# Altium PCB JR_main.PcbDoc
Units mil, origin at the board's own origin, x right, y up, seen from the top; angles counter-clockwise.
Board outline 1559.06 x 2188.98 mil, 2 copper layers (Top Layer, Bottom Layer); 50 components, 47 nets, 221 pads, 229 vias.
Unrouted connection lines stored in the file: 46.
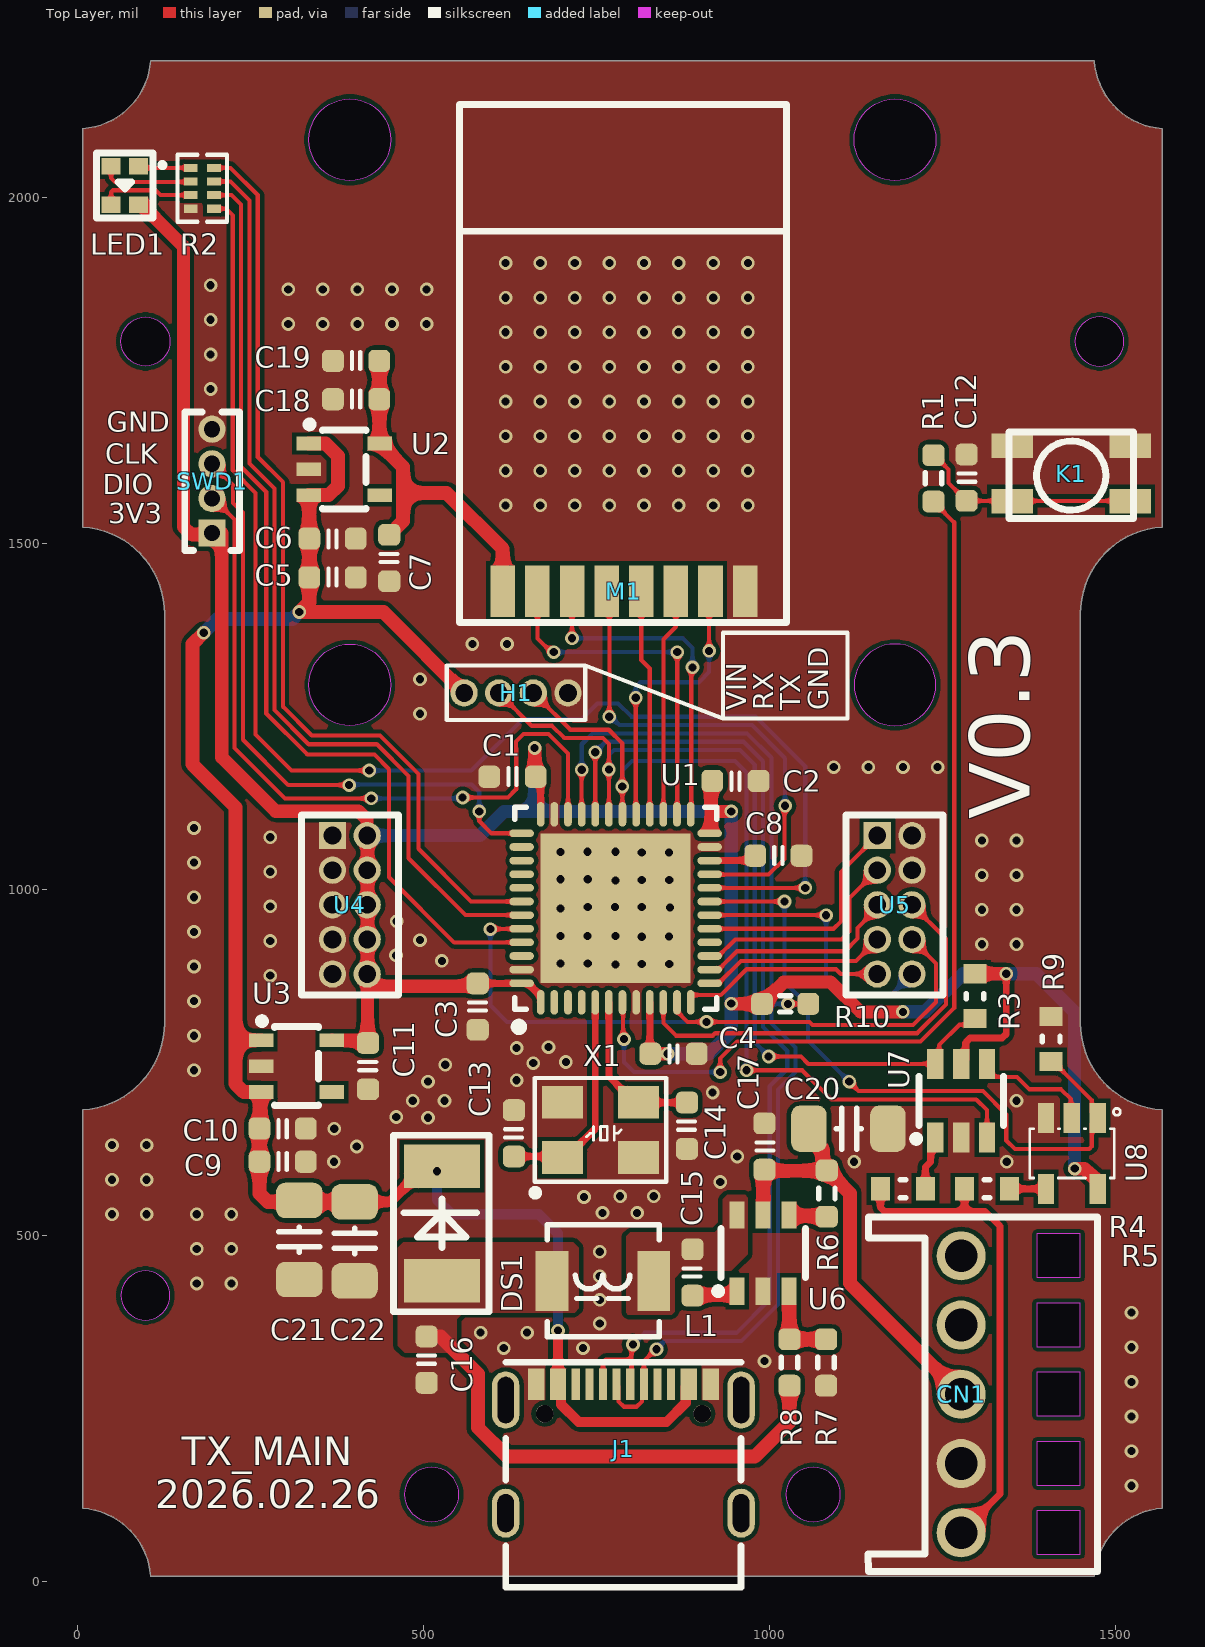
[diagram p0: Top Layer view]
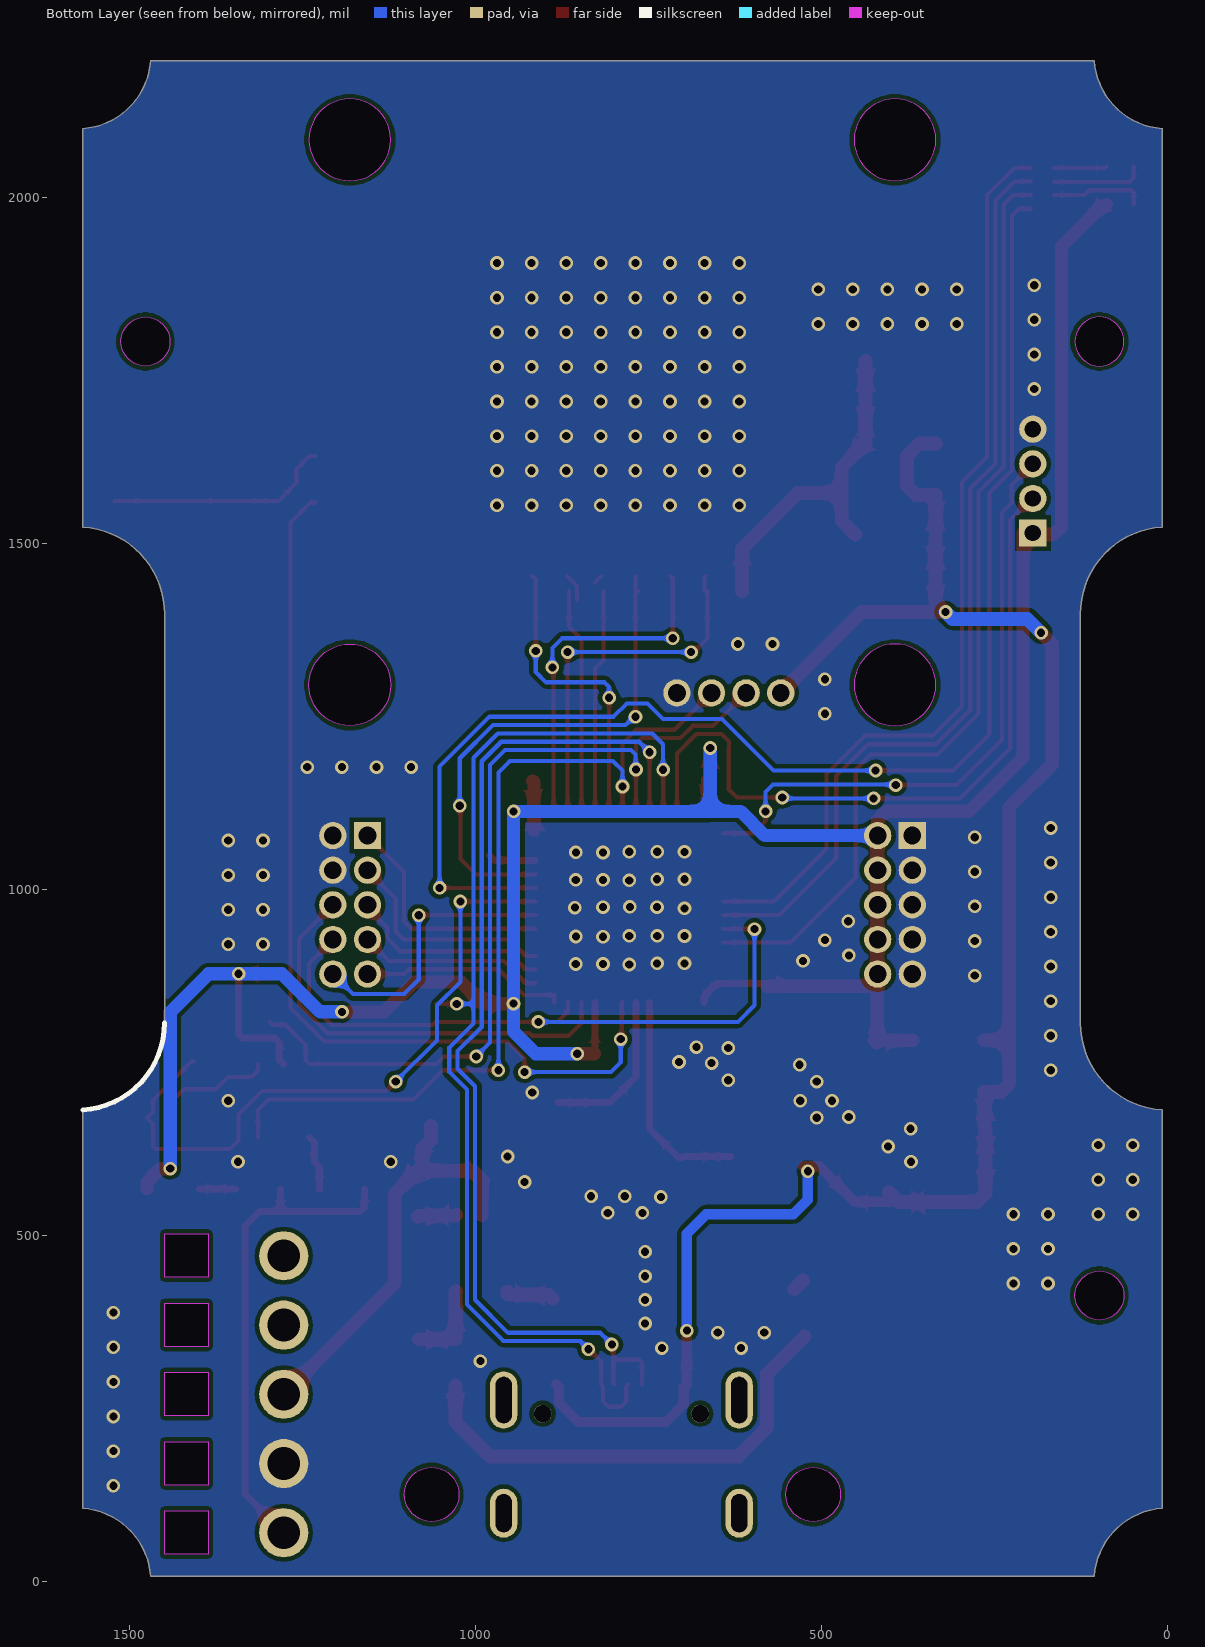
[diagram p1: Bottom Layer view, seen from below]

## Layer stack, top to bottom
Top Solder: solder mask 0.4, Solder Resist, Dk 3.5
Top Layer: signal copper 1.4
Dielectric 1: dielectric 12.6, FR-4, Dk 4.8
Bottom Layer: signal copper 1.4
Bottom Solder: solder mask 0.4, Solder Resist, Dk 3.5

## Board outline
7.87,106.01 cw(c0,0) 106.01,7.87 1468.8,7.87 cw(c1574.8,0) 1566.93,106.01 1566.93,681.35 cw(c1574.8,807.09) 1448.82,807.09 1448.82,1397.64 cw(c1574.8,1397.64) 1566.93,1523.38 1566.93,2098.72 cw(c1574.8,2204.72) 1468.8,2196.85 106.01,2196.85 cw(c0,2204.72) 7.87,2098.72 7.87,1523.38 cw(c0,1397.64) 125.98,1397.64 125.98,807.09 cw(c0,807.09) 7.87,681.35
cut-out: 1023.62,125.98 ccw(c1062.99,125.98) 1062.99,86.61 ccw(c1062.99,125.98) 1102.36,125.98 ccw(c1062.99,125.98) 1062.99,165.35 ccw(c1062.99,125.98)
cut-out: 472.44,125.98 ccw(c511.81,125.98) 511.81,86.61 ccw(c511.81,125.98) 551.18,125.98 ccw(c511.81,125.98) 511.81,165.35 ccw(c511.81,125.98)
cut-out: 62.99,413.39 ccw(c98.43,413.39) 98.43,377.95 ccw(c98.43,413.39) 133.86,413.39 ccw(c98.43,413.39) 98.43,448.82 ccw(c98.43,413.39)
cut-out: 1122.05,1295.28 ccw(c1181.1,1295.28) 1181.1,1236.22 ccw(c1181.1,1295.28) 1240.16,1295.28 ccw(c1181.1,1295.28) 1181.1,1354.33 ccw(c1181.1,1295.28)
cut-out: 393.7,1236.22 cw(c393.7,1295.28) 334.65,1295.28 cw(c393.7,1295.28) 393.7,1354.33 cw(c393.7,1295.28) 452.76,1295.28 cw(c393.7,1295.28)
cut-out: 1440.94,1791.34 ccw(c1476.38,1791.34) 1476.38,1755.91 ccw(c1476.38,1791.34) 1511.81,1791.34 ccw(c1476.38,1791.34) 1476.38,1826.77 ccw(c1476.38,1791.34)
cut-out: 1181.1,2023.62 cw(c1181.1,2082.68) 1122.05,2082.68 cw(c1181.1,2082.68) 1181.1,2141.73 cw(c1181.1,2082.68) 1240.16,2082.68 cw(c1181.1,2082.68)
cut-out: 98.43,1755.91 cw(c98.43,1791.34) 62.99,1791.34 cw(c98.43,1791.34) 98.43,1826.77 cw(c98.43,1791.34) 133.86,1791.34 cw(c98.43,1791.34)
cut-out: 393.7,2023.62 cw(c393.7,2082.68) 334.65,2082.68 cw(c393.7,2082.68) 393.7,2141.73 cw(c393.7,2082.68) 452.76,2082.68 cw(c393.7,2082.68)
cut-out: 1385.83,439.37 1448.82,439.37 1448.82,502.36 1385.83,502.36
cut-out: 1385.83,339.37 1448.82,339.37 1448.82,402.36 1385.83,402.36
cut-out: 1385.83,239.37 1448.82,239.37 1448.82,302.36 1385.83,302.36
cut-out: 1385.83,139.37 1448.82,139.37 1448.82,202.36 1385.83,202.36
cut-out: 1385.83,39.37 1448.82,39.37 1448.82,102.36 1385.83,102.36

## Design rules (kind name [scope] priority, off if disabled: settings)
Clearance [All] p1: gap=6 ignorepadtopadclearanceinfootprint=FALSE
MinimumSolderMaskSliver [All] p1: minsoldermaskwidth=2.5
PlaneConnect [All] p1: planeconnectstyle=Direct reliefexpansion=20 reliefentries=4 reliefconductorwidth=10 reliefairgap=10
PolygonConnect [All] p1: connectstyle=Direct reliefconductorwidth=10 reliefentries=4 polygonreliefangle="90 Angle" airgapwidth=10
RoutingVias [All] p1: holewidth=11.81 width=19.68 viastyle="Through Hole" minholewidth=11.81 minwidth=19.68 maxholewidth=1181.1 maxwidth=1968.5
SilkToSilkClearance [All] p1: silktosilkclearance=5
SilkToSolderMaskClearance [IsPad] p1: minsilkscreentomaskgap=0 clearancetoexposedcopper=TRUE
SolderMaskExpansion [All] p1: expansion=4 istentingtop=FALSE
Width [All] p1: maxlimit=100 minlimit=6 preferedwidth=10
26 further rules are at their usual default settings.

## Components (designator, comment, footprint, x,y, rotation, side; value= is the part's Value field where it differs from the comment)
C1 "100nf" C0603 628.62,1162.62 r0 top
C2 "100nf" C0603 950.62,1156.62 r180 top
C3 "100nf" C0603 578.37,830.62 r90 top
C4 "100nf" C0603 861.24,762.62 r180 top
C5 "10uf" C0603 368.62,1450.62 r0 top
C6 "100nf" C0603 368.7,1506.62 r180 top
C7 "10uf" C0603 450.62,1478.62 r90 top
C8 "4.7uf" C0603 1012.62,1048.62 r0 top
C9 "10uf" C0603 296.62,606.62 r0 top
C10 "100nf" C0603 296.62,654.62 r180 top
C11 "10uf" C0603 420.06,744.62 r90 top
C12 "100nf" C0603 1284.62,1594.62 r270 top
C13 "22pf" C0603 630.62,647.62 r90 top
C14 "22pf" C0603 880.62,658.62 r90 top
C15 "100nf" C0603 888.62,446.62 r90 top
C16 "47uf" C0603 504.62,320.62 r90 top
C17 "4.7uf" C0603 992.62,628.62 r270 top
C18 "10uf" C0603 402.76,1707.88 r0 top
C19 "10uf" C0603 402.76,1763.33 r0 top
C20 "47uf" C1206 1114.92,654.22 r180 top
C21 "47uf" C1206 320.62,494.62 r270 top
C22 "47uf" C1206 400.62,492.62 r270 top
CN1 "B2541BW-5P" CONN-TH_B2541BW-5P 1276.62,270.62 r270 top
DS1 "D-Schottky" SMA 526.62,442.85 r90 top
H1 "Head_4Pin" 1.27排针_4PIN 558.72,1283.75 r0 top
J1 "Type-c 2.0" TYPE-C16PIN 788.84,191.93 r0 top
K1 "Key-PB" SW_4.2x3.2 1520.62,1560.62 r180 top
L1 "4.7uH" L-4020 832.62,434.62 r180 top
LED1 "E6C0606RGBC3UDA" LED-SMD_4P-L1.6-W1.6-TL-FD 68.62,2016.62 r270 top
M1 "NRF24l01" NRF24l01 614.62,1430.62 r0 top
R1 "10k" R0603 1236.62,1593.62 r90 top
R2 "1k" 0402*4 180.62,2012.62 r270 top
R3 "10k" RES0603 1296.62,845.64 r90 top
R4 "1k" RES0603 1192.62,567.44 r180 top
R5 "51R" RES0603 1314.02,567.44 r180 top
R6 "1k" R0603 1082.62,560.62 r90 top
R7 "10k" R0603 1081.64,316.62 r270 top
R8 "52.3k" R0603 1028.62,316.62 r270 top
R9 "10k" RES0603 1406.62,783.63 r270 top
R10 "1.5k" R0603 1022.43,834.62 r0 top
SWD1 "J-Link" "1.27 排针 4p" 194.62,1589.62 r90 top
U1 "STM32F401CCU6" UFQFPN-48_L7.0-W7.0-P0.50-BL-EP 777.62,972.62 r0 top
U2 "XC6210B332MR_C424705" SOT-25_L3.0-W1.6-P0.95-LS2.8-BL 385.46,1606.62 r270 top
U3 "XC6210B332MR_C424705" SOT-25_L3.0-W1.6-P0.95-LS2.8-BL 316.62,744.62 r270 top
U4 "2343U-205CNG1SNT01" HDR-TH_10P-P1.27-V-F-R2-C5-S1.27-1 393.7,977.62 r270 top
U5 "2343U-205CNG1SNT01" HDR-TH_10P-P1.27-V-F-R2-C5-S1.27-1 1180.62,977.62 r270 top
U6 "JW5026" "SOT-23-6_L2.9-W1.6-P0.95-LS2.8-BR - duplicate" 990.62,474.62 r270 top
U7 "SN74LVC2G04DBVR" SOT-23-6 1276.62,694.62 r270 top
U8 "SN74LVC1G126DBVR" SOT-23-5 1436.62,618.62 r90 top
X1 "XTAL" OSC_KH3225_4P 820.62,697.62 r0 top

## Footprints (in the part's own frame and the unit in brackets; to place one, negate y for a bottom-side part, rotate by r counter-clockwise, add the part's x,y. Pads: shape width x height; smd on the part's side, far side on the other; paste and mask are expansions set on the pad)
"1.27 排针 4p" [mm]
  rect 1x1 hole 0.6 mask+0.051: 1(-1.905,0)
  round 1 hole 0.6 mask+0.051: 2(-0.635,0) 3(0.635,0) 4(1.905,0)
  silkscreen extent -2.54,-1 2.54,1
1.27排针_4PIN [mm]
  round 1 hole 0.65: 1(0,0) 2(1.27,0) 3(2.54,0) 4(3.81,0)
  silkscreen extent -0.64,-1 4.44,1, body extent -0.64,-1 4.44,1, height 4.9
0402*4 [mm]
  rect 0.3x0.505 smd mask+0.051: 1(-0.75,0.427) 2(-0.25,0.427) 3(0.25,0.427) 4(0.75,0.427) 5(0.75,-0.427) 6(0.25,-0.427) 7(-0.25,-0.427) 8(-0.75,-0.427)
  silkscreen extent -1.23,-0.91 1.23,0.91
C0603 [mm] "C0603瓷片电容"
  rrect50% 0.8x0.813 smd: 1(-0.85,0) 2(0.85,0)
  silkscreen extent -0.15,-0.3 0.15,0.33, body extent -0.76,-0.38 0.76,0.38, height 0.76
C1206 [mm] "C1206 瓷片电容"
  rrect50% 1.3x1.7 smd: 1(-1.422,0) 2(1.478,0)
  silkscreen extent -0.45,-0.75 0.48,0.75, body extent -1.6,-0.8 1.6,0.8, height 1
CONN-TH_B2541BW-5P [mil]
  round 70.9 hole 47.2 mask+2: 1(200,0) 2(100,0) 3(0,0) 4(-100,0) 5(-200,0)
  silkscreen extent -256,-134 256,197
HDR-TH_10P-P1.27-V-F-R2-C5-S1.27-1 [mil]
  rect 39.4x39.4 hole 25.6 mask+2: 1(-100,-25)
  round 39.4 hole 25.6 mask+2: 2(-100,25) 3(-50,-25) 4(-50,25) 5(0,-25) 6(0,25) 7(50,-25) 8(50,25) 9(100,-25) 10(100,25)
  silkscreen extent -130,-70 130,70
L-4020 [mm] "4020封装贴片式电感，4*4*2mm"
  rect 1.2x2.2 smd: 1(0,0) 2(3.73,0)
  silkscreen extent -0.2,-2.05 3.9,2.05, body extent -0.27,-2.1 3.96,2, height 2
LED-SMD_4P-L1.6-W1.6-TL-FD [mil]
  rect 23.6x27.6 smd mask+2: 1(-27.6,19.7) 2(27.6,19.7) 3(-27.6,-19.7) 4(27.6,-19.7)
  silkscreen extent -47,-41 47,57
NRF24l01 [mm]
  rect 0.9x1.9 smd: 1(0,0) 2(1.27,0) 3(2.54,0) 4(3.81,0) 5(5.08,0) 6(6.35,0) 7(7.62,0) 8(8.89,0)
  silkscreen extent -1.59,-1.14 10.41,17.86
OSC_KH3225_4P [mil]
  rect 59.06x47.24 smd: 1(-120,-85) 2(-10,-85) 3(-10,-5) 4(-120,-5)
  silkscreen extent -164,-141 30,30, body extent -128,-94 -2,4, height 31
R0603 [mm] "0603电阻"
  rrect50% 0.8x0.813 smd: 1(-0.85,0) 2(0.85,0)
  silkscreen extent -0.2,-0.3 0.2,0.3, body extent -0.76,-0.38 0.76,0.38, height 0.76
RES0603 [mm] "Chip Resistor, 2-Leads, Body 1.60x0.80mm, IPC Medium Density"
  rect 0.7x0.85 smd: 1(-0.825,0) 2(0.825,0)
  silkscreen extent -0.1,-0.33 0.1,0.33, body extent -0.8,-0.4 0.8,0.4, height 0.45
SMA [mil] "DO-214AC(2010)"
  rect 63x110 smd: 1(-8,0) 2(157,0)
  silkscreen extent -53,-68 202,70, body extent -16,-53 166,53, height 94
SOT-23-5 [mm]
  rect 1.1x0.6 smd: 1(1.3,-0.95) 2(1.3,0) 3(1.3,0.95) 4(-1.3,0.95) 5(-1.3,-0.95)
  silkscreen extent -0.9,-1.78 1.65,1.55, body extent -1.45,-1.26 1.45,1.52, height 1.2
SOT-23-6 [mm]
  rect 1.1x0.6 smd paste+0 mask+0.051: 1(1.35,-0.95) 2(1.35,0) 3(1.35,0.95) 4(-1.35,0.95) 5(-1.35,0) 6(-1.35,-0.95)
  silkscreen extent -0.9,-1.78 1.52,1.55, body extent -1.41,-1.45 1.41,1.45, height 1.65
"SOT-23-6_L2.9-W1.6-P0.95-LS2.8-BR - duplicate" [mm]
  rect 1x0.55 smd: 1(1.4,-0.95) 2(1.4,0) 3(1.4,0.95) 4(-1.4,0.95) 5(-1.4,0) 6(-1.4,-0.95)
  silkscreen extent -0.9,-1.78 1.52,1.55
SOT-25_L3.0-W1.6-P0.95-LS2.8-BL [mm]
  rect 0.5x0.9 smd: 1(-0.95,-1.3) 2(0,-1.3) 3(0.95,-1.3) 4(0.95,1.3) 5(-0.95,1.3)
  silkscreen extent -1.78,-1.4 1.45,0.8
SW_4.2x3.2 [mil]
  rect 60x35 smd: 1(0,0) 1(170,0) 2(0,-80) 2(170,-80)
  silkscreen extent -5,-100 175,25, body extent -6,-103 176,23, height 98
TYPE-C16PIN [mm]
  oval 1x2.1 hole 0.6 slot 1.7 at 90 deg: 1(-4.32,1.787) 2(4.32,1.787)
  oval 1x1.8 hole 0.6 slot 1.4 at 90 deg: 3(-4.32,-2.362) 4(4.32,-2.362)
  rect 0.6x1.15 smd: A1B12(-3.2,2.362) A4B9(-2.4,2.362) B1A12(3.2,2.362) B4A9(2.4,2.362)
  rect 0.3x1.15 smd: A5(-1.25,2.362) A6(-0.25,2.362) A7(0.25,2.362) A8(-1.75,2.362) B5(1.75,2.362) B6(0.75,2.362) B7(-0.75,2.362) B8(1.25,2.362)
  round 0.65 hole 0.65 unplated: ""(-2.89,1.288) ""(2.89,1.288)
  silkscreen extent -4.32,-5.08 4.32,3.17
UFQFPN-48_L7.0-W7.0-P0.50-BL-EP [mil]
  oval 11x35.4 smd mask+2: 1(-108.3,-135.8) 2(-88.6,-135.8) 3(-68.9,-135.8) 4(-49.2,-135.8) 5(-29.5,-135.8) 6(-9.8,-135.8) 7(9.8,-135.8) 8(29.5,-135.8) 9(49.2,-135.8) 10(68.9,-135.8) 11(88.6,-135.8) 12(108.3,-135.8) 25(108.3,135.8) 26(88.6,135.8) 27(68.9,135.8) 28(49.2,135.8) 29(29.5,135.8) 30(9.8,135.8) 31(-9.8,135.8) 32(-29.5,135.8) 33(-49.2,135.8) 34(-68.9,135.8) 35(-88.6,135.8) 36(-108.3,135.8)
  oval 35.4x11 smd mask+2: 13(135.8,-108.3) 14(135.8,-88.6) 15(135.8,-68.9) 16(135.8,-49.2) 17(135.8,-29.5) 18(135.8,-9.8) 19(135.8,9.8) 20(135.8,29.5) 21(135.8,49.2) 22(135.8,68.9) 23(135.8,88.6) 24(135.8,108.3) 37(-135.8,108.3) 38(-135.8,88.6) 39(-135.8,68.9) 40(-135.8,49.2) 41(-135.8,29.5) 42(-135.8,9.8) 43(-135.8,-9.8) 44(-135.8,-29.5) 45(-135.8,-49.2) 46(-135.8,-68.9) 47(-135.8,-88.6) 48(-135.8,-108.3)
  rect 216.5x216.5 smd mask+2: 49(0,0)
  silkscreen extent -146,-177 146,146

## Part data
C1 C2 C3 C4 C5 C6 C7 C8 C9 C10 C11 C12 C13 C14 C15 C16 C17 C18 C19 C20 C21 C22: library part CAP, "无极电容", accuracy=20%
CN1: JLCPCB Part Class="Extended Part", Manufacturer=CJT(长江连接器), Add into BOM=yes, Contact Material=磷青铜, Convert to PCB=yes, Datasheet=https://atta.szlcsc.com/upload/public/pdf/watermark/20190926/C339791_B20238F2CD55658633FCD511B58CAA6D.pdf, Device=B2541BW-5P, LCSC Part Name=B2541BW-5P, Manufacturer Part=B2541BW-5P, Mounting Style=-, Name=B2541BW-5P, Number of PINs Per Row=5, Number of Rows=1, Pins Structure=1x5P, Pitch=2.54mm, Reference Series=-, Row Spacing=-, Supplier=LCSC, Supplier Footprint=插件,P=2.5mm, Supplier Part=C339791, Symbol=B2541BW-5P
DS1: library part Diode-Schottky, "肖特基二极管"
J1: "Type-c座子"
K1: "轻触开关"
L1: library part Lnd, "电感"
LED1: Emitted Color=RGB三色, JLCPCB Part Class="Extended Part", Manufacturer=ekinglux(亿晶源), Add into BOM=yes, Convert to PCB=yes, Datasheet=https://atta.szlcsc.com/upload/public/pdf/source/20220330/8DE12FB9881A833E867FD7AF6894B416.pdf, Device=E6C0606RGBC3UDA, LCSC Part Name=RGB三色, Manufacturer Part=E6C0606RGBC3UDA, Name=E6C0606RGBC3UDA, Supplier=LCSC, Supplier Footprint=SMD,1.6x1.6x0.6mm, Supplier Part=C375569, Symbol=E6C0606RGBC3UDA
R1 R6 R7 R8 R10: library part RES, "电阻"
R2: library part 排阻
R3 R4 R5 R9: library part Res, "电阻"
SWD1: library part Comm_SWD, "调试接口_SWD"
U1: JLCPCB Part Class="Extended Part", Manufacturer=ST(意法半导体), Voltage - Supply (Vcc/Vdd)="1.7V ~ 3.6V", A/D=10x12bit, Add into BOM=yes, Convert to PCB=yes, Datasheet=https://atta.szlcsc.com/upload/public/pdf/source/20160816/1471343009422.pdf, Device=STM32F401CCU6, I2C（SMBUS/PMBUS）=3, LCSC Part Name=STM32F401CCU6, Manufacturer Part=STM32F401CCU6, Name=STM32F401CCU6, Number of I/O=36, Program Memory Size=256KB, PWM=32, RAM Size=64KB, Speed=84MHz, SPI=3, Supplier=LCSC, Supplier Footprint=UFQFPN-48, Supplier Part=C79861, Symbol=STM32F401CCU6, UART/USART="3 USART", USB Device=1, USB Host/OTG=1
U2 U3: "3.3V稳压芯片", BOM_JLCPCB Part Class="Extended Part", BOM_Manufacturer="Torex Semicon", BOM_Manufacturer Part=XC6210B332MR, BOM_Supplier=LCSC, BOM_Supplier Part=C424705, Contributor=LCSC, spicePre=U, spiceSymbolName=XC6210B332MR_C424705
U4 U5: library part "1.27排针 2*5P", JLCPCB Part Class="Extended Part", LCSC Part Name="1.27mm 2x5P U型/环保耐高温/镀金", Manufacturer=华宇创, Add into BOM=yes, Contact Material=磷青铜, Contact Plating=-, Convert to PCB=yes, Datasheet=https://atta.szlcsc.com/upload/public/pdf/source/20181220/C350287_D742F1AEC20B5CCE37A83D869655120C.pdf, Device=2343U-205CNG1SNT01, Holes Structure=2x5P, Insulation Height=-, Manufacturer Part=2343U-205CNG1SNT01, Mounting Type=直插, Name=2343U-205CNG1SNT01, Number of Holes=10, Number of Rows=2, Pitch=1.27mm, Row Spacing=1.27mm, Supplier=LCSC, Supplier Footprint=插件,P=1.27mm, Supplier Part=C350287, Symbol=2343U-205CNG1SNT01
U6: "小尺寸降压芯片", BOM_JLCPCB Part Class="Extended Part", BOM_Manufacturer="JoulWatt Tech", BOM_Manufacturer Part=JW5026, BOM_Supplier=LCSC, BOM_Supplier Part=C185109, Contributor=LCSC, spicePre=U, spiceSymbolName=JW5026
U7: "反相器", Symbol=SN74LVC2G04DBVR
U8: "三态输出缓存器", Symbol=SN74LVC1G126DBVR
X1: library part XTAL_贴片, "无源晶振"

## Via types
v1: diameter 19.68, hole 11.81, Top Layer to Bottom Layer, 229 vias

## Nets (pads, with @x,y where several pads share a name; then routed paths per layer and width w, separated by ;. In a path a pad name is that pad's centre, name@x,y a point inside that pad or via, vN(x,y) a via of type N, cw(c..) or ccw(c..) an arc to the next point about the centre after c; other vN are vias at no path point)
3V3: C1.2 C2.2 C3.2 C4.2 C11.2 LED1.2 R3.2 R10.1 SWD1.1 U1.1 U1.9 U1.24 U1.36 U1.48 U3.5 U4.2 U4.4 U4.6 U4.8 U4.10 U7.5 U8.5 | length 4191.9
  Top Layer w10: C3.2@578.37,860.09 582.41,864.13 641.63,864.13 U1.48 650.64,864.32 669.32,845.64 U1.1 ; C1.2@666.09,1162.62 669.13,1159.58 669.13,1108.62 U1.36 ; U1.9 827.02,836.63 827.02,763.39 C4.2 ; U7.5 1283.44,754.59 1283.44,779.12 1289.29,784.98 1335.97,784.98 1341.83,790.84 v1@1341.83,873.1
  Top Layer w19: LED1.2 90.62,1986.72 95.32,1986.72 153.16,1928.88 153.16,1523.75 164.29,1512.62 192.62,1512.62 SWD1.1 ; SWD1.1@208.62,1514.62 208.62,1190.62 286.42,1112.82 406.42,1112.82 418.7,1100.55 U4.2 419.38,1076.95 U4.10@419.38,860.09 ; U3.5 368.15,781.68 416.46,781.68 C11.2@419.38,778.77 ; C11.2@423.99,782.02 C11.2 C11.2@419.38,778.77 ; C3.2@578.62,860.09 578.37,860.09 U4.10@419.38,860.09 ; C1.2@660.36,1164.36 660.75,1164.75 660.75,1203.99 v1(660.62,1204.12) ; C4.2 v1(852.62,762.62) ; U1.24@915.29,1084.92 915.29,1108.82 ; C2.2 915.29,1154.76 915.29,1108.82 ; v1(944.62,1112.62) 944.49,1112.49 918.96,1112.49 915.29,1108.82 ; v1(944.68,834.97) 944.87,834.97 945.21,834.62 R10.1 988.97,834.88 1020.22,866.13 1088.14,866.13 1131.3,822.97 v1(1192.5,822.97) ; R3.2 v1(1341.83,878.12) ; v1(1440.62,596.62) 1440.75,596.49 1454.81,596.49 1474.02,577.28 U8.5 ; C11.2@419.38,778.77 U4.10@419.38,860.09
  Bottom Layer w19: U4.2 581.62,1077.62 616.62,1112.62 660.62,1112.62 ; v1(660.62,1204.12) 660.62,1112.62 ; v1(852.62,762.62) 912.62,762.62 944.62,794.62 v1(944.62,1112.62) 660.62,1112.62 ; v1@944.62,834.91 v1(944.68,834.97) ; v1(1192.5,822.97) 1192.63,823.1 1224.37,823.1 1279.4,878.12 1385.13,878.12 1440.62,822.62 v1(1440.62,596.62)
3V3_module: C7.2 C18.2 C19.2 M1.1 U2.5 | length 512.3
  Top Layer w20: C19.2 436.43,1763.12 436.43,1644.18 U2.5 U2.5 470.62,1610.04 470.62,1572.56 ; C7.2 470.62,1532.09 470.62,1572.56 ; M1.1 614.62,1491.54 533.6,1572.56 470.62,1572.56
BOOT1: R2.4 U1.20 | length 2001.2
  Top Layer w6: R2.4 214.8,1983.09 224.62,1973.27 224.62,1605.41 257.56,1572.47 257.56,1223.69 309.64,1171.61 v1(421.67,1171.61) ; U1.20 v1(1051.51,1002.12)
  Bottom Layer w6: v1(421.67,1171.61) 568.99,1171.61 643.55,1246.17 728.62,1246.17 751.08,1268.62 781.09,1268.62 800.31,1249.4 979.37,1249.4 1051.51,1177.27 v1(1051.51,1002.12)
CE: M1.2 U1.26 | length 535.2
  Top Layer w6: M1.2 664.62,1362.47 684.47,1342.62 v1(688.17,1342.62) ; M1.2@667.62,1452.62 668.62,1451.62 M1.2@668.62,1430.62 ; U1.26 866.62,1108.82 v1(866.62,1342.62)
  Bottom Layer w6: v1(688.17,1342.62) v1(866.62,1342.62)
CS: M1.3 U1.25 | length 512.4
  Top Layer w6: v1(714.62,1362.62) M1.3 714.62,1449.62 M1.3@717.62,1452.62 ; U1.25 886.88,1109.38 886.88,1318.88 v1(888.62,1320.62)
  Bottom Layer w6: v1(714.62,1362.62) 874.62,1362.62 888.62,1348.62 v1(888.62,1320.62)
GND: C1.1 C2.1 C3.1 C4.1 C5.2 C6.1 C7.1 C8.2 C9.2 C10.1 C11.1 C12.1 C13.2 C14.1 C16.1 C17.1 C18.1 C19.1 C20.1 C21.2 C22.2 CN1.2 H1.4 J1.A1B12 J1.B1A12 K1.2 M1.8 R2.5 R7.2 R9.1 SWD1.4 U1.8 U1.23 U1.35 U1.47 U1.49 U2.2 U3.2 U4.1 U4.3 U4.5 U4.7 U4.9 U5.2 U5.4 U6.2 U7.2 U8.3 X1.2 X1.4
  other v1: 1522.62,138.62 1522.62,188.62 1522.62,238.62 1522.62,288.62 992.62,318.62 616.02,337.4 730.37,337.4 1522.62,338.62 582.62,359.8 649.73,359.8 754.62,372.94 1522.62,388.62 754.62,406.95 172.62,430.62 222.62,430.62 754.62,441.06 754.62,476.62 172.62,480.62 222.62,480.62 50.18,530.62 100.18,530.62 172.62,530.62 222.62,530.62 758.62,532.62 808.62,532.62 731.91,555.62 784.04,556.62 832.62,556.62 928.62,577.28 50.18,580.62 100.18,580.62 370.62,606.62 1122.05,606.62 1342.62,606.62 953.23,614.16 403.57,628.62 50.18,630.62 100.18,630.62 371.1,654.22 506.62,670.07 460.62,671.15 484.62,694.62 530.46,694.62 1356.64,694.62 917.62,706.62 506.62,722.25 634.62,724.14 168.62,738.62 531.51,746.62 658.62,749.08 705.78,750.62 634.62,770.75 680.62,772.17 168.62,788.62 168.62,838.62 278.62,875.35 168.62,888.62 777.63,891.47 815.37,892.08 854.94,892.08 697.77,893.02 737.34,893.02 526.62,896.66 460.36,904.62 1306.64,920.62 1356.64,920.62 278.62,925.35 495.02,926.62 815.37,931.62 854.62,931.88 697.77,932.57 737.02,932.82 777.63,932.82 168.62,938.62 461.16,953.82 1306.64,970.62 1356.64,970.62 697.77,972.57 856.02,973.61 737.37,974.37 776.62,974.62 815.37,974.37 278.62,975.35 168.62,988.62 777.63,1013.01 815.37,1013.62 854.94,1013.62 697.77,1014.57 737.34,1014.57 1306.64,1020.62 1356.64,1020.62 278.62,1025.35 168.62,1038.62 697.77,1054.11 815.37,1053.17 854.62,1053.42 737.02,1054.37 777.63,1054.37 1306.64,1070.62 1356.64,1070.62 278.62,1075.35 168.62,1088.62 1092.62,1176.62 1142.62,1176.62 1192.62,1176.62 1242.62,1176.62 495.02,1253.52 495.02,1303.52 570.62,1354.33 620.62,1354.33 618.62,1554.62 668.62,1554.62 718.62,1554.62 768.62,1554.62 818.62,1554.62 868.62,1554.62 918.62,1554.62 968.62,1554.62 618.62,1604.62 668.62,1604.62 718.62,1604.62 768.62,1604.62 818.62,1604.62 868.62,1604.62 918.62,1604.62 968.62,1604.62 618.62,1654.62 668.62,1654.62 718.62,1654.62 768.62,1654.62 818.62,1654.62 868.62,1654.62 918.62,1654.62 968.62,1654.62 618.62,1704.62 668.62,1704.62 718.62,1704.62 768.62,1704.62 818.62,1704.62 868.62,1704.62 918.62,1704.62 968.62,1704.62 192.62,1722.62 618.62,1754.62 668.62,1754.62 718.62,1754.62 768.62,1754.62 818.62,1754.62 868.62,1754.62 918.62,1754.62 968.62,1754.62 192.62,1772.62 618.62,1804.62 668.62,1804.62 718.62,1804.62 768.62,1804.62 818.62,1804.62 868.62,1804.62 918.62,1804.62 968.62,1804.62 304.62,1816.62 354.62,1816.62 404.62,1816.62 454.62,1816.62 504.62,1816.62 192.62,1822.62 618.62,1854.62 668.62,1854.62 718.62,1854.62 768.62,1854.62 818.62,1854.62 868.62,1854.62 918.62,1854.62 968.62,1854.62 304.62,1866.62 354.62,1866.62 404.62,1866.62 454.62,1866.62 504.62,1866.62 192.62,1872.62 618.62,1904.62 668.62,1904.62 718.62,1904.62 768.62,1904.62 818.62,1904.62 868.62,1904.62 918.62,1904.62 968.62,1904.62
IRQ: M1.7 U1.29 | length 440.8
  Top Layer w6: v1(806.62,1276.62) 806.62,1108.92 U1.29 ; v1(912.62,1344.38) 912.62,1428.62 M1.7 ; M1.7@912.62,1430.62 912.62,1447.62 M1.7@917.62,1452.62
  Bottom Layer w6: v1(806.62,1276.62) 806.62,1292.58 813.11,1299.07 897.71,1299.07 912.62,1313.98 v1(912.62,1344.38)
KEY1: U1.11 U1.44 U5.8 | length 991.2
  Top Layer w6: v1(596.62,942.62) 596.87,942.87 641.57,942.87 U1.44 ; U1.11 866.22,823.82 881.42,808.62 1057.65,808.62 1062.15,804.12 1207.28,804.12 1240.14,836.98 1240.14,893.11 U5.8
  Bottom Layer w6: v1(596.62,942.62) 596.62,832.62 620.62,808.62 v1(908.82,808.62)
KEY2: U1.10 U5.6 | length 628.6
  Top Layer w6: U1.10 846.52,806.84 864.74,788.62 917.89,788.62 921.39,792.12 1213.15,792.12 1254.62,833.59 1254.62,928.62 U5.6
LCD_BLK: U1.18 U5.10 | length 406
  Top Layer w6: U1.18 913.52,962.72 1081.54,962.72 v1(1081.64,962.62)
  Bottom Layer w6: v1(1081.64,962.62) 1081.64,869.61 1102.62,848.62 1176.62,848.62 U5.10
LCD_CLK: U1.15 U5.3 | length 321.6
  Top Layer w6: U1.15 926.43,903.72 950.33,927.62 1103.62,927.62 1114.92,938.92 1114.92,986.92 U5.3
LCD_CS: U1.12 U5.9 | length 298.7
  Top Layer w6: U1.12 885.92,847.51 929.51,847.51 966.63,884.63 1095.8,884.63 1102.8,877.62 U5.9
LCD_DC: U1.14 U5.5 | length 292.7
  Top Layer w6: U1.14 926.43,884.02 953.03,910.62 1108.62,910.62 1126.92,928.92 1126.92,944.34 1155.62,973.04 U5.5
LCD_MOSI: U1.17 U5.1 | length 339.6
  Top Layer w6: U1.17 1092.23,943.12 1102.92,953.82 1102.92,1024.92 U5.1
LCD_RES: U1.13 U5.7 | length 268.4
  Top Layer w6: U1.13 926.43,864.32 958.73,896.63 1124.63,896.63 U5.7
LED_B: R2.3 U1.45 | length 1392.1
  Top Layer w6: R2.3 197.53,2002.7 222.94,2002.7 236.62,1989.02 236.62,1610.38 272.96,1574.04 272.96,1253.9 332.24,1194.62 429.1,1194.62 450.28,1173.44 450.28,1017.53 544.39,923.42 U1.45
LED_G: R2.2 U1.43 | length 1362.8
  Top Layer w6: R2.2 221.25,2022.46 248.62,1995.09 248.62,1615.35 284.96,1579.01 284.96,1258.87 334.24,1209.59 432.62,1209.59 478.62,1163.59 478.62,1044.91 560.71,962.82 U1.43
LED_R: R2.1 U1.42 | length 1358.1
  Top Layer w6: R2.1 221.17,2042.15 260.62,2002.7 260.62,1624.44 296.96,1588.1 296.96,1263.84 338.68,1222.12 437.12,1222.12 492.62,1166.62 492.62,1058.62 568.82,982.42 U1.42
NetC8_1: C8.1 U1.22 | length 68.7
  Top Layer w10: U1.22 913.62,1041.72 972.25,1041.72 C8.1
NetC12_2: C12.2 K1.1 R1.2 | length 328.7
  Top Layer w6: R1.2@1230.62,1626.09 1239.16,1626.09 1258.62,1606.62 1258.62,1586.9 1284.37,1561.16 C12.2 1520.09,1561.16 K1.1@1520.62,1560.62
NetC15_1: C15.1 U6.1 | length 71.4
  Top Layer w20: C15.1@888.62,409.16 893.8,414.33 952.4,414.33 953.23,415.16 U6.1
NetC15_2: C15.2 L1.1 U6.6
NetC16_2: C16.2 DS1.1 L1.2 R8.2 | length 711.6
  Top Layer w20: 524.62,354.09 578.62,300.09 578.62,222.36 620.36,180.62 978.62,180.62 1028.62,230.62 R8.2 ; DS1.1 DS1.1@538.62,422.85
NetLED1_1: LED1.1 R2.8 | length 76.3
  Top Layer w6: LED1.1 90.39,2042.15 R2.8
NetLED1_3: LED1.3 R2.7 | length 134.3
  Top Layer w6: LED1.3 48.92,2027.32 54.42,2021.82 163.15,2021.82 R2.7
NetLED1_4: LED1.4 R2.6 | length 136.9
  Top Layer w6: LED1.4 48.92,2006.92 51.82,2009.82 113.09,2009.82 120.13,2002.78 R2.6
NetR4_1: R4.1 U7.1 | length 79.9
  Top Layer w10: R4.1 1225.1,599.17 1232.41,606.48 1232.41,634.66 U7.1
NetR5_1: R5.1 U8.4 | length 52.7
  Top Layer w10: R5.1 U8.4
NetR6_1: R6.1 U6.4 | length 55.9
  Top Layer w20: U6.4 1028.02,529.28 1028.85,528.45 1081.33,528.45 R6.1
NetR7_1: R7.1 R8.1 U6.3 | length 122.7
  Top Layer w20: U6.3 1028.32,419.2 1028.32,350.39 R8.1 R7.1
NetU7_4: U7.4 U8.2 | length 175.7
  Top Layer w6: U7.4 1314.02,737.93 1322.83,729.12 1357.23,729.12 1375.19,711.16 1420.98,711.16 1435.19,696.95 1435.19,671.25 U8.2
NRST: R1.1 U1.7 | length 1367.9
  Top Layer w6: U1.7 788.38,835.87 788.38,784.98 v1(789.73,783.63) ; v1(928.62,735.94) 928.62,755.58 953.17,780.12 1218.12,780.12 1266.62,828.62 1266.62,1530.16 R1.1 ; R1.1@1230.62,1559.16 R1.1@1233.12,1556.66 ; R1.1@1231.49,1559.16 R1.1@1231.74,1559.16
  Bottom Layer w6: v1(789.73,783.63) 789.73,750.36 804.15,735.94 v1(928.62,735.94)
OSC_IN: C13.1 U1.5 X1.1 | length 318
  Top Layer w10: C13.1 699.09,614.16 X1.1 706.53,612.62 748.12,654.22 U1.5
OSC_OUT: C14.2 U1.6 X1.3 | length 235.6
  Top Layer w10: U1.6 767.82,729.52 804.72,692.62 X1.3 811.16,692.09 C14.2
S_PORT_DIR: R9.2 U1.19 U8.1 | length 976.9
  Top Layer w6: U1.19 v1(1021.47,982.42) ; v1(1114.92,722.25) 1128.49,708.68 1307.98,708.68 1341.83,674.83 1341.83,637.42 1354.29,624.96 1461.7,624.96 1465.21,628.48 1465.21,661 U8.1 1465.21,678.62 1465.21,695.51 1409.58,751.15 R9.2
  Bottom Layer w6: v1(1021.47,982.42) 1021.47,866.42 1055.31,832.58 1055.31,781.86 v1(1114.92,722.25)
SPI_MISO: M1.6 U1.27 | length 369.4
  Top Layer w6: U1.27 846.52,1361.25 864.62,1379.35 M1.6 ; M1.6@852.91,1419.01 852.91,1437.91 M1.6@867.62,1452.62
SPI_MOSI: M1.5 U1.28 | length 340.3
  Top Layer w6: M1.5 814.62,1331.08 826.82,1318.88 U1.28 ; M1.5@817.62,1452.62 M1.5@826.82,1443.42
SPI_SCK: M1.4 U1.21 | length 747.4
  Top Layer w6: M1.4 768.48,1426.76 v1(768.48,1249.4) ; M1.4@767.62,1452.62 768.48,1451.76 M1.4@768.48,1430.62 ; U1.21 914.02,1021.22 998.62,1021.22 1021.34,1043.94 1021.34,1119.53 v1(1022.43,1120.62)
  Bottom Layer w6: v1(768.48,1249.4) 770.81,1249.4 782.97,1237.24 974.56,1237.24 1022.43,1189.37 v1(1022.43,1120.62)
SPORT: CN1.1 R4.2 R5.2 | length 709.4
  Top Layer w10: R4.2 1160.14,540.48 1166,534.62 1281.54,534.62 ; CN1.1 1332.62,126.62 1332.62,513.41 1311.41,534.62 1281.54,534.62 ; R5.2 1281.54,534.62
SWCLK: SWD1.3 U1.37 | length 900.9
  Top Layer w6: SWD1.3 225.14,1584.11 225.14,1558.17 239.12,1544.18 239.12,1216.12 304.62,1150.62 v1(392.62,1150.62) ; v1(580.62,1112.62) 580.62,1098.62 598.32,1080.92 U1.37
  Bottom Layer w6: v1(392.62,1150.62) 393.47,1151.47 569.78,1151.47 580.62,1140.62 v1(580.62,1112.62)
SWDIO: SWD1.2 U1.34 | length 1065.6
  Top Layer w6: SWD1.2 196.72,1564.62 227.12,1534.22 227.12,1204.12 299.92,1131.32 v1(424.62,1131.32) ; v1(556.62,1132.62) 622.02,1132.62 633.94,1144.54 633.94,1203.73 633.6,1204.07 633.6,1213.32 644.5,1224.22 680.8,1224.22 708.72,1196.3 U1.34
  Bottom Layer w6: v1(424.62,1131.32) 555.32,1131.32 v1(556.62,1132.62)
UART_RX: H1.2 R3.1 U1.31 U7.6 | length 1297
  Top Layer w6: H1.2@614.62,1278.05 656.45,1236.22 685.77,1236.22 703.43,1218.56 759.31,1218.56 767.82,1210.05 v1(767.82,1173.11) U1.31 U1.31@768.58,1109.18 ; v1(998.62,758.62) 1045.2,758.62 1055.87,747.96 1239.04,747.96 U7.6 1244.91,753.46 1244.91,774.91 1274.41,804.41 1292.89,804.41 R3.1@1296.62,808.14
  Bottom Layer w6: v1(767.82,1173.11) 768.48,1173.77 768.48,1194.62 775.1,1201.24 956.98,1201.24 978.62,1179.59 978.62,778.62 v1(998.62,758.62)
UART_TX: H1.3 U1.30 U7.3 | length 1309.1
  Top Layer w6: H1.3@664.62,1278.05 712.11,1230.56 767.62,1230.56 787.24,1210.94 v1(787.24,1148.62) 787.33,1148.53 787.33,1108.51 U1.30 ; v1(966.62,738.62) 1047.16,738.62 1089.1,696.68 1298.43,696.68 1314.02,681.09 U7.3
  Bottom Layer w6: v1(787.24,1148.62) 787.42,1148.8 787.42,1171.61 801.36,1185.55 950.06,1185.55 966.62,1168.98 v1(966.62,738.62)
USB_N: J1.A7 J1.B7 U1.32 | length 1511.1
  Top Layer w6: U1.32 v1(748.12,1198.12) ; J1.B7 759.31,316.62 763.31,320.62 800.65,320.62 ; J1.A7 800.65,286.91 800.65,320.62 ; v1(802.62,342.62) 800.65,340.65 800.65,320.62
  Bottom Layer w6: v1(748.12,1198.12) 763.24,1213.24 962.37,1213.24 990.62,1184.99 990.62,801.27 1025.47,766.43 1025.47,740.91 1000.12,715.57 1000.12,407.18 952.41,359.47 819.47,359.47 v1(802.62,342.62)
USB_P: J1.A6 J1.B6 R10.2 U1.33 | length 1617.3
  Top Layer w6: U1.33 728.52,1108.52 728.52,1172.52 v1(728.62,1172.62) ; J1.A6 781.9,282.04 781.9,260.45 789.73,252.62 807.64,252.62 815.46,260.45 815.46,282.04 J1.B6 818.37,318.62 835.37,335.62 v1(836.62,335.62) ; v1(1026.62,834.62) R10.2
  Bottom Layer w6: v1(728.62,1172.62) 728.62,1209.59 744.27,1225.24 967.47,1225.24 1002.62,1190.09 1002.62,834.62 ; v1(836.62,335.62) 836.62,336.04 848.05,347.47 959.47,347.47 1012.12,400.12 1012.12,710.6 1037.47,735.94 1037.47,771.4 1002.62,806.24 1002.62,834.62 ; v1(1026.62,834.62) 1002.62,834.62
VBAT: C17.2 C20.2 CN1.3 R6.2 U6.5 | length 625.4
  Top Layer w20: U6.5 990.63,580.63 1003.16,593.16 1026.62,593.16 1027.09,593.62 1082.16,593.62 R6.2@1083.34,593.62 ; C20.2@1063.87,658.62 1063.87,637.71 1076.62,624.96 1076.62,599.84 1077.13,599.84 1116.27,560.7 1116.27,430.98 CN1.3
Vin: C5.1 C6.2 C9.1 C10.2 C21.1 C22.1 DS1.2 H1.1 J1.A4B9 J1.B4A9 U2.1 U2.3 U3.1 U3.3 | length 2684.3
  Top Layer w15: C22.1 451.9,548.62 503.12,599.85 DS1.2 ; v1(694.35,362.62) J1.A4B9 698.67,280.63 698.67,256.21 724.25,230.62 851.05,230.62 879.02,258.59 879.02,280.63 J1.B4A9
  Top Layer w20: v1(182.62,1370.62) 166.62,1354.62 166.62,1180.62 228.62,1118.62 228.62,782.02 ; U3.1 228.62,782.02 ; U2.1 334.44,1643.87 358.7,1643.87 376.48,1626.09 376.48,1582.69 363.17,1569.38 334.44,1569.38 U2.3 334.6,1569.22 334.76,1569.07 334.76,1507.1 C6.2 ; C6.2 C6.2 ; C22.1@402.62,562.62 388.62,548.62 275.44,548.62 263.16,560.91 C9.1 C10.2 264.3,655.77 264.3,707.07 264.46,707.22 U3.3 265.29,707.38 240.34,707.38 228.62,719.1 228.62,782.02 ; H1.1@564.62,1278.05 442.05,1400.62 v1(320.62,1400.62) 335.16,1415.16 C5.1 335.2,1450.66 C6.2
  Bottom Layer w15: v1(519.49,592.71) 519.49,551.76 540.62,530.62 666.62,530.62 694.35,502.89 v1(694.35,362.62)
  Bottom Layer w20: v1(182.62,1370.62) 202.62,1390.62 310.62,1390.62 v1(320.62,1400.62)
pads on no net: CN1.4 CN1.5 J1. J1.1 J1.2 J1.3 J1.4 J1.A5 J1.A8 J1.B5 J1.B8 U1.2 U1.3 U1.4 U1.16 U1.38 U1.39 U1.40 U1.41 U1.46 U2.4 U3.4

## Polygon pours and split planes (outlines as drawn)
GND on Top Layer "Top Layer-No Net" (solid, remove dead copper, pour order 4): 7.87,106.01 cw(c0,0) 106.01,7.87 1468.8,7.87 cw(c1574.8,0) 1566.93,106.01 1566.93,681.35 cw(c1574.8,807.09) 1448.82,807.09 1448.82,1397.64 cw(c1574.8,1397.64) 1566.93,1523.38 1566.93,2098.72 cw(c1574.8,2204.72) 1468.8,2196.85 106.01,2196.85 cw(c0,2204.72) 7.87,2098.72 7.87,1523.38 cw(c0,1397.64) 125.98,1397.64 125.98,807.09 cw(c0,807.09) 7.87,681.35
NetC16_2 on Top Layer "Top Layer-NetC16_2" (solid, pour order 2): 716.62,490.62 470.62,490.62 462.62,482.62 462.62,340.62 472.62,330.62 534.62,330.62 548.18,344.18 548.18,379.17 557.35,388.33 718.33,388.33 724.62,394.62 724.62,482.62
NetC15_2 on Top Layer "Top Layer-NetC15_2" (solid, pour order 0): 968.62,554.62 968.62,472.62 944.82,448.82 872.82,448.82 862.62,438.62 862.62,388.62 859.86,385.86 795.38,385.86 792.62,388.62 792.62,498.62 798.62,504.62 880.62,504.62 920.62,504.62 932.62,516.62 932.62,552.62 938.62,558.62 964.62,558.62
GND on Bottom Layer "Top Layer-No Net1" (solid, remove dead copper, pour order 5): 7.87,106.01 cw(c0,0) 106.01,7.87 1468.8,7.87 cw(c1574.8,0) 1566.93,106.01 1566.93,681.35 cw(c1574.8,807.09) 1448.82,807.09 1448.82,1397.64 cw(c1574.8,1397.64) 1566.93,1523.38 1566.93,2098.72 cw(c1574.8,2204.72) 1468.8,2196.85 106.01,2196.85 cw(c0,2204.72) 7.87,2098.72 7.87,1523.38 cw(c0,1397.64) 125.98,1397.64 125.98,807.09 cw(c0,807.09) 7.87,681.35

## Silkscreen, mask and mechanical layers (free items; w line width, h text height)
Top Overlay:
  lines w5.98: 733.72,1323.12 932.62,1246.62 ; 932.62,1246.62 932.62,1370.62 1112.62,1370.62 1112.62,1246.62 932.62,1246.62
  text "GND" at 42.62,1650.62 h50
  text "CLK" at 40.62,1604.62 h50
  text "DIO" at 36.62,1560.62 h50
  text "3V3" at 44.62,1518.44 h50
  text "VIN" at 976.61,1258.53 h50 r90
  text "RX" at 1015.54,1258.53 h50 r90
  text "TX" at 1054.47,1258.53 h50 r90
  text "GND" at 1094.61,1258.53 h50 r90
  text "V0.3" at 1404.62,1101.52 h150 r90
  text "TX_MAIN" at 150.62,154.62 h70
  text "2026.02.26" at 112.62,92.62 h70
Bottom Overlay:
  lines w7: 1448.82,807.09 ccw(c1574.8,807.09) 1566.93,681.35
Top Solder:
  text "SESAME" at 18.62,226.62 h100
Mechanical 1:
  circle w7: c393.7,1295.28 r59.06
  circle w7: c393.7,2082.68 r59.06
  circle w7: c98.43,413.39 r35.43
  circle w7: c98.43,1791.34 r35.43
  circle w7: c1476.38,1791.34 r35.43
  circle w7: c1181.1,1295.28 r59.06
  circle w7: c1181.1,2082.68 r59.06
  circle w7: c1062.99,125.98 r39.37
  circle w7: c511.81,125.98 r39.37
  lines w7: 7.87,106.01 cw(c0,0) 106.01,7.87 1468.8,7.87 cw(c1574.8,0) 1566.93,106.01 1566.93,681.35 cw(c1574.8,807.09) 1448.82,807.09 1448.82,1397.64 cw(c1574.8,1397.64) 1566.93,1523.38 1566.93,2098.72 cw(c1574.8,2204.72) 1468.8,2196.85 106.01,2196.85 cw(c0,2204.72) 7.87,2098.72 7.87,1523.38 cw(c0,1397.64) 125.98,1397.64 125.98,807.09 cw(c0,807.09) 7.87,681.35 7.87,106.01 ; 1385.83,39.37 1448.82,39.37 1448.82,102.36 1385.83,102.36 1385.83,39.37 ; 1385.83,139.37 1448.82,139.37 1448.82,202.36 1385.83,202.36 1385.83,139.37 ; 1385.83,239.37 1448.82,239.37 1448.82,302.36 1385.83,302.36 1385.83,239.37 ; 1385.83,339.37 1448.82,339.37 1448.82,402.36 1385.83,402.36 1385.83,339.37 ; 1385.83,439.37 1448.82,439.37 1448.82,502.36 1385.83,502.36 1385.83,439.37
Mechanical 15:
  lines w7: 334.65,844.49 452.76,844.49 452.76,1110.24 334.65,1110.24 334.65,844.49 ; 610.24,27.56 964.57,27.56 964.57,263.78 610.24,263.78 610.24,27.56 ; 1122.05,844.49 1240.16,844.49 1240.16,1110.24 1122.05,1110.24 1122.05,844.49 ; 1153.54,22.83 1468.5,22.83 1468.5,518.9 1153.54,518.9 1153.54,22.83